# Altium PCB PCB1.PcbDoc (part 13 of 14) (continued)
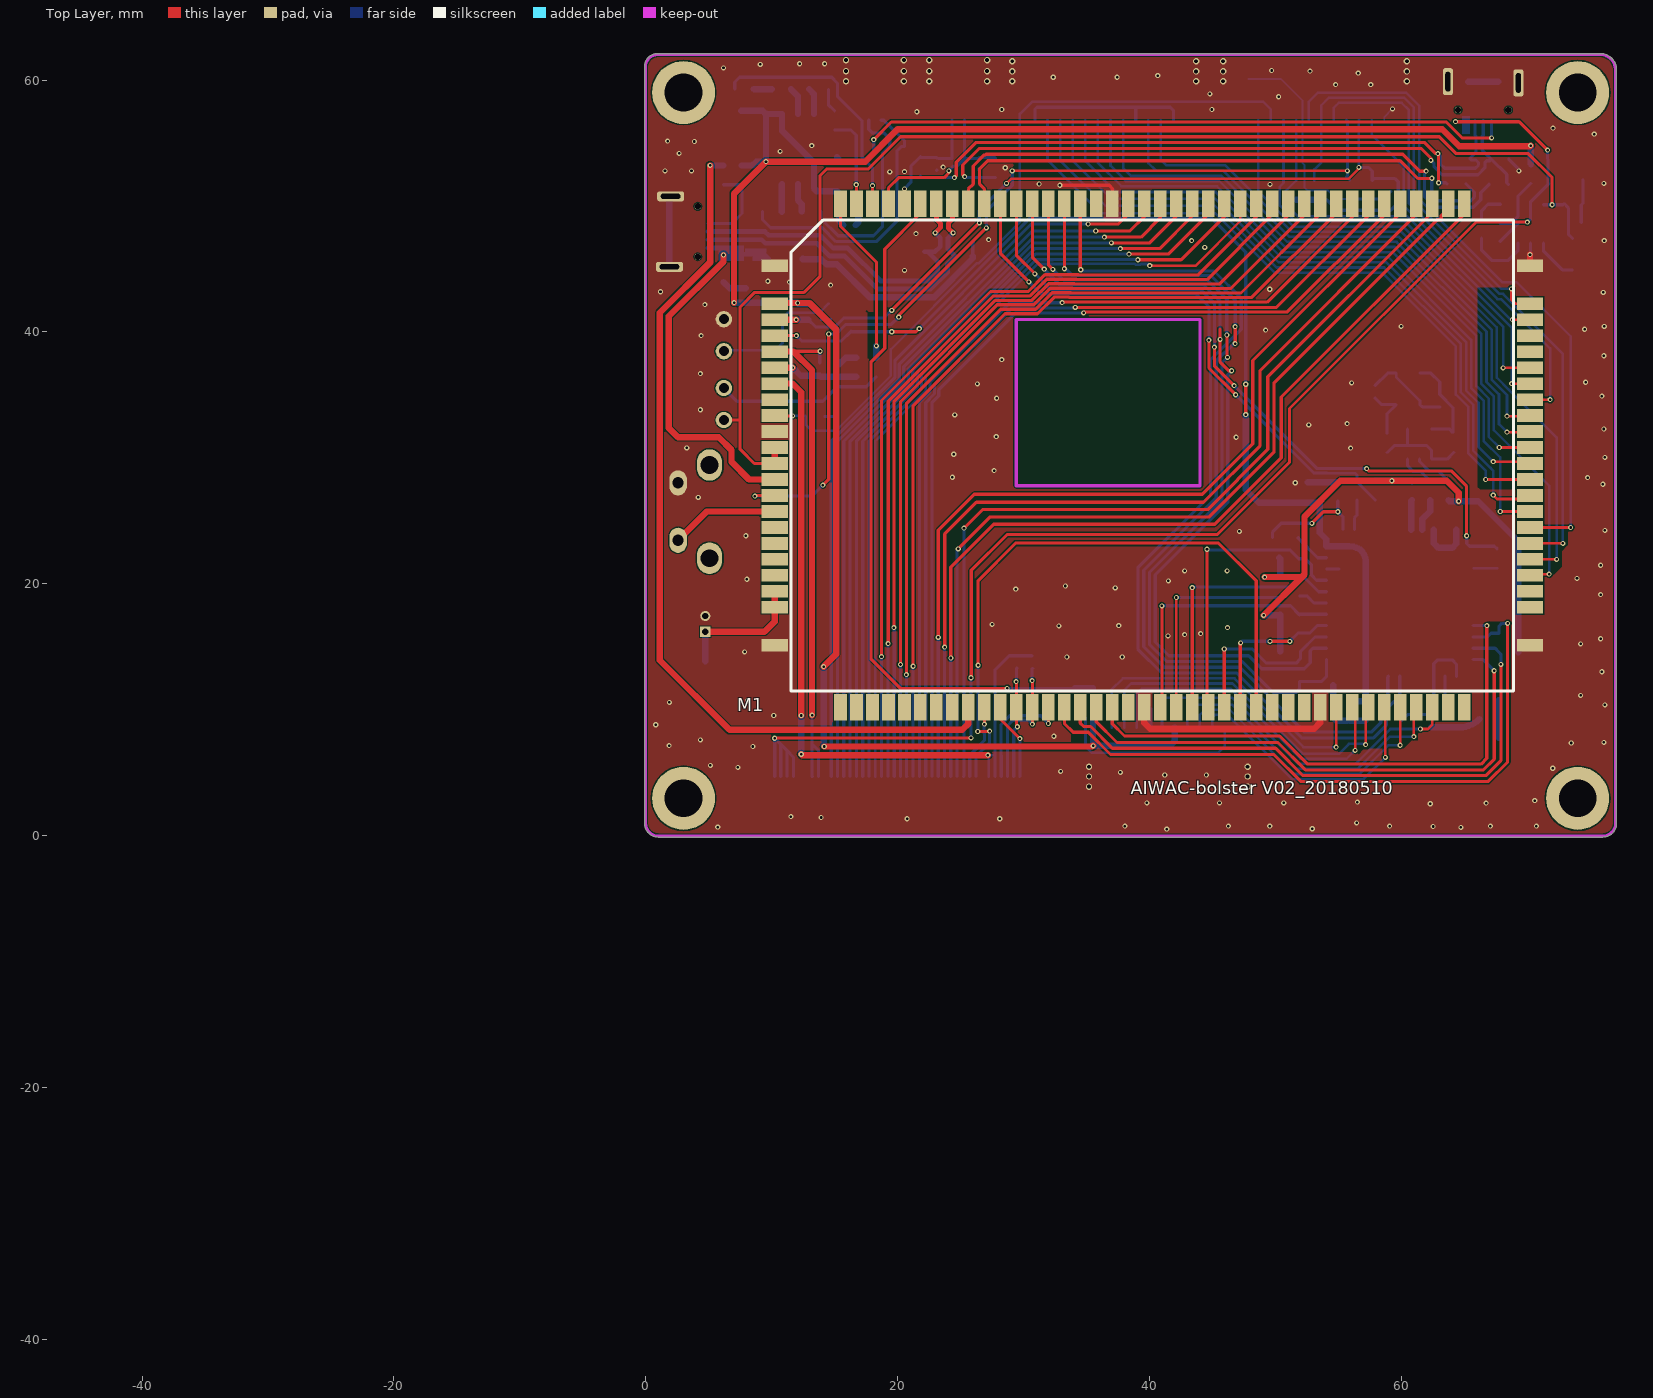
[diagram p0: Top Layer view]
## Nets (pads, with @x,y where several pads share a name; then routed paths per layer and width w, separated by ;. In a path a pad name is that pad's centre, name@x,y a point inside that pad or via, vN(x,y) a via of type N, cw(c..) or ccw(c..) an arc to the next point about the centre after c; other vN are vias at no path point) (continued)
PE7_CSI-D3: J1.4 M1.70 | length 53.8
  Top Layer w0.203: v1(67.31,29.693) 70.079,29.693 M1.70@70.231,29.54
  Bottom Layer w0.203: J1.4@33.909,56.805 33.909,53.594 36.932,50.571 45.222,50.571 50.276,45.517 58.82,45.517 65.151,39.186 65.151,35.356 66.142,34.365 66.142,30.861 v1(67.31,29.693)
PE8_CSI-D4: J1.6 M1.71 | length 51.2
  Top Layer w0.203: v1(67.793,30.81) M1.71@70.231,30.81
  Bottom Layer w0.203: J1.6@35.909,56.805 35.909,53.423 37.77,51.562 45.381,51.562 50.613,46.33 59.308,46.33 65.964,39.674 65.964,35.692 66.954,34.702 66.954,31.648 v1(67.793,30.81)
PE9_CSI-D5: J1.8 M1.72 | length 48.5
  Top Layer w0.203: v1(68.402,32.029) 70.18,32.029 M1.72@70.231,32.08
  Bottom Layer w0.203: J1.8@37.909,56.805 37.909,53.023 38.557,52.375 45.717,52.375 50.95,47.142 59.644,47.142 66.777,40.01 66.777,36.029 67.767,35.038 67.767,32.664 v1(68.402,32.029)
PE10_CSI-D6: J1.10 M1.73 | length 45.4
  Top Layer w0.203: v1(68.402,33.299) 70.129,33.299 70.206,33.376 M1.73@70.231,33.35
  Bottom Layer w0.203: J1.10@39.909,56.805 39.909,53.411 40.513,52.807 45.86,52.807 51.118,47.549 59.813,47.549 67.183,40.179 67.183,36.197 68.402,34.978 v1(68.402,33.299)
PE11_CSI-D7: J2.11 M1.74 | length 29.8
  Top Layer w0.203: M1.74@70.231,34.62 v1(71.831,34.62)
  Bottom Layer w0.203: J2.11@57.654,56.805 57.654,55.681 60.198,53.137 60.198,50.041 67.636,42.603 67.916,42.603 69.041,41.478 69.044,41.478 69.342,41.181 69.342,41.177 71.831,38.688 v1(71.831,34.62)
PE12_CSI-SCK: J2.4 M1.75 | length 35.2
  Top Layer w0.203: v1(68.783,35.89) M1.75@70.231,35.89 M1.75@70.206,35.916
  Bottom Layer w0.203: J2.4@50.654,56.805 50.654,53.264 50.654,51.823 50.368,51.537 50.368,50.023 51.623,48.768 60.318,48.768 68.783,40.303 v1(68.783,35.89)
PE13_CSI-SDA: J2.2 M1.76 | length 35
  Top Layer w0.203: v1(68.097,37.135) 70.206,37.135 M1.76@70.231,37.16
  Bottom Layer w0.203: J2.2@48.654,56.805 48.654,51.162 51.455,48.362 60.149,48.362 68.097,40.414 v1(68.097,37.135)
PE16_CSI-RST-F: J2.5 M1.79 R50.2 | length 30.2
  Top Layer w0.203: v1(68.834,40.97) M1.79@70.231,40.97
  Bottom Layer w0.203: J2.5@51.654,56.805 51.654,52.029 R50.2@51.664,52.019 50.851,51.206 50.851,50.115 51.791,49.174 60.49,49.174 68.694,40.97 v1(68.834,40.97)
PE17_CSI-STBY-F: J2.7 M1.80 R39.1 | length 34.7
  Top Layer w0.203: v1(68.758,43.416) 68.758,42.545 69.063,42.24 M1.80@70.231,42.24 M1.80@70.206,42.215
  Bottom Layer w0.203: R39.1@53.111,52.019 53.111,52.908 53.654,53.451 53.654,57.998 54.254,58.598 60.214,58.598 61.011,57.801 61.011,50.378 67.973,43.416 v1(68.758,43.416)
PH4-SCK1: M1.49
PH5-SDA1: M1.50
POWERKEY: M1.14 S1.2 | length 8.6
  Top Layer w0.508: S1.2@2.565,23.441 4.854,25.73 M1.14@10.231,25.73
PS: C102.1 C103.2 D6.A L1.1 M1.10 M1.11 U10.6 | length 100.1
  Top Layer w0.254: D6.A@6.2,32.993 7.367,32.993 7.493,32.868 ; M1.11@10.231,29.54 8.628,29.54 7.493,30.676 7.493,32.868 ; v1(71.984,50.089) 71.984,52.26 70.091,54.153 64.376,54.153 63.029,55.499 20.232,55.499 17.666,52.934 14.363,52.934 13.843,52.413 13.843,44.399 12.573,43.129 8.649,43.129 7.493,41.973 7.493,32.868
  Top Layer w0.508: M1.11@10.231,29.54 M1.10@10.231,30.81
  Bottom Layer w0.254: U10.6@71.298,50.089 v1(71.984,50.089) 72.834,50.089 C102.1@72.935,50.19 73.279,49.847 C103.2@73.279,48.692 73.279,47.752 L1.1@73.609,47.422
SDC0-CLK: J9.6 M1.58 | length 28.6
  Top Layer w0.203: v1(61.519,8.456) 62.126,8.456 62.456,8.786 M1.58@62.456,10.175
  Bottom Layer w0.203: J9.6@41,8.56 41,10.749 41.199,10.947 46.568,10.947 51.825,5.69 56.37,5.69 59.136,8.456 v1(61.519,8.456)
SDC0-CMD: J9.4 M1.57 | length 25.2
  Top Layer w0.203: v1(61.011,7.849) 61.011,10 M1.57@61.186,10.175
  Bottom Layer w0.203: J9.4@43,8.56 43,10.031 43.358,10.389 46.552,10.389 51.657,5.283 56.538,5.283 59.104,7.849 v1(61.011,7.849)
SDC0-D0: J9.8 M1.53 | length 26.3
  Top Layer w0.203: M1.53@56.106,10.175 56.337,9.944 v1(56.337,6.756)
  Bottom Layer w0.203: J9.8@39,8.56 39,11.238 39.421,11.659 46.431,11.659 51.994,6.096 55.677,6.096 v1(56.337,6.756)
SDC0-D1: J9.9 M1.54 | length 28
  Top Layer w0.203: v1(57.175,7.214) 57.175,9.975 M1.54@57.376,10.175
  Bottom Layer w0.203: J9.9@38,8.56 38,11.508 38.557,12.065 46.6,12.065 52.162,6.502 55.093,6.502 55.855,7.264 57.125,7.264 v1(57.175,7.214)
SDC0-D2: J9.2 M1.55 | length 21.5
  Top Layer w0.203: M1.55@58.646,10.175 58.75,10.071 v1(58.75,6.198)
  Bottom Layer w0.203: J9.2@45,8.56 45,9.364 45.212,9.576 46.215,9.576 51.32,4.47 57.023,4.47 v1(58.75,6.198)
SDC0-D3: J9.3 M1.56 | length 23.2
  Top Layer w0.203: M1.56@59.916,10.175 59.919,10.173 v1(59.919,7.163)
  Bottom Layer w0.203: J9.3@44,8.56 44,9.583 44.399,9.982 46.383,9.982 51.489,4.877 56.706,4.877 58.992,7.163 v1(59.919,7.163)
SDIO-CLK: M1.42 R84.2 | length 17.3
  Top Layer w0.203: M1.42@42.136,9.914 M1.42@42.136,10.175 42.136,18.895 v1(42.139,18.898)
  Bottom Layer w0.203: v1(42.139,18.898) 50.267,18.898 R84.2@50.394,19.025
SDIO-CMD: M1.41 R89.2 U7.16 | length 21.5
  Top Layer w0.254: M1.41@40.866,10.175 40.996,10.305 v1(40.996,18.237)
  Bottom Layer w0.254: v1(40.996,18.237) 51.206,18.237 R89.2@51.918,17.526 51.954,17.562 U7.16@54.06,17.562
SDIO-D0: M1.43 R90.2 U7.18 | length 21
  Top Layer w0.254: M1.43@43.406,10.175 v1(43.406,19.685)
  Bottom Layer w0.254: v1(43.406,19.685) 43.457,19.736 51.13,19.736 R90.2@51.918,20.523 52.273,20.523 53.434,19.362 U7.18@54.06,19.362
SDIO-D1: M1.44 R91.2 U7.19 | length 23.6
  Top Layer w0.254: v1(44.577,22.733) 44.577,10.274 M1.44@44.676,10.175
  Bottom Layer w0.254: v1(44.577,22.733) 44.628,22.682 51.156,22.682 51.867,21.971 R91.2@51.918,21.971 52.375,21.971 52.883,21.463 52.883,20.65 53.271,20.262 U7.19@54.06,20.262
SDIO-D2: M1.45 R87.2 U7.14 | length 14.4
  Top Layer w0.254: v1(45.949,14.808) 45.946,14.806 M1.45@45.946,10.175 M1.45@45.974,10.203
  Bottom Layer w0.254: v1(45.949,14.808) 48.184,14.808 49.301,13.691 51.664,13.691 51.994,14.021 51.994,14.605 53.151,15.762 U7.14@54.06,15.762
SDIO-D3: M1.46 R88.2 U7.15 | length 12.5
  Top Layer w0.254: M1.46@47.216,10.175 47.216,15.161 47.244,15.189 v1(47.244,15.291) ; v1(49.581,15.418) v1(51.156,15.418)
  Bottom Layer w0.254: v1(47.244,15.291) 47.371,15.418 v1(49.581,15.418) ; v1(51.156,15.418) 51.816,16.078 R88.2@51.918,16.078 52.73,16.078 53.315,16.662 U7.15@54.06,16.662
SPI0-CLK: M1.61
SPI0-CS: M1.62
SPI0-MISO: M1.59
SPI0-MOSI: M1.60
T-CARD-DET: J9.10 M1.52 | length 26.6
  Top Layer w0.203: v1(54.836,7.013) M1.52@54.836,10.175
  Bottom Layer w0.203: J9.10@37,8.56 37,11.575 37.897,12.471 46.768,12.471 52.226,7.013 v1(54.836,7.013)
TEMP: C50.1 M1.5 R76.2 RT1.1 | length 6.8
  Top Layer w0.508: M1.5@10.231,37.16 v1(11.659,37.16)
  Bottom Layer w0.508: v1(11.659,37.16) 12.319,36.5 RT1.1@13.818,36.5 13.894,36.424 C50.1@15.367,36.424 R76.2@16.713,36.424
TP-INT: J3.37 M1.34 | length 9.7
  Top Layer w0.254: M1.34@31.976,10.175 31.976,8.893 v1(31.979,8.89)
  Bottom Layer w0.254: J3.37@28.229,4.674 28.229,6.34 28.219,6.35 28.219,8.814 28.904,9.498 31.371,9.498 v1(31.979,8.89)
TP-RST: J3.40 M1.31 | length 6.1
  Top Layer w0.254: M1.31@28.166,10.175 28.166,9.248 v1(29.718,7.696)
  Bottom Layer w0.254: v1(29.718,7.696) 29.718,4.685 J3.40@29.729,4.674
TP-SCK: J3.39 M1.32 R8.2 | length 8.8
  Top Layer w0.254: v1(29.413,12.217) 29.436,12.195 M1.32@29.436,10.175 29.436,8.715 v1(29.515,8.636)
  Bottom Layer w0.254: J3.39@29.229,4.674 29.229,8.35 v1(29.515,8.636) ; v1(29.413,12.217) 29.439,12.243 R8.2@29.439,13.259 R8.2@29.464,13.284
TP-SDA: J3.38 M1.33 R7.2 | length 10.8
  Top Layer w0.254: v1(30.683,12.294) 30.706,12.271 M1.33@30.706,10.175 v1(30.706,8.839)
  Bottom Layer w0.254: J3.38@28.729,4.674 28.729,8.714 29.159,9.144 30.401,9.144 v1(30.706,8.839) ; v1(30.683,12.294) R7.2@30.683,13.208 ; R7.2@30.683,13.233 R7.2@30.683,13.208 ; R7.2@30.734,13.259 R7.2@30.683,13.208
USB-DM0: D22.2 J10.2 M1.113 pad.4@24.409,47.854 | length 27.5
  Top Layer w0.381: M1.113@24.356,50.175 24.356,48.935 24.039,48.617 24.039,48.224 pad.4@24.409,47.854
  Bottom Layer w0.381: J10.2@4.953,47.314 9.217,47.314 9.491,47.041 13.594,47.041 14.623,46.012 15.786,46.012 18.39,43.409 22.632,43.409 23.971,44.748 23.971,45.409 D22.2@24.575,46.012 24.016,46.571 24.016,47.46 pad.4@24.409,47.854
USB-DM1: D11.2 J11.2 R110.2 R113.2 | length 54.9
  Top Layer w0.254: v1(24.511,52.248) 24.663,52.4 24.663,53.462 26.244,55.042 61.84,55.042 62.729,54.153 v1(62.916,54.153) 62.967,54.102 v1(62.967,51.841)
  Bottom Layer w0.254: R110.2@21.819,52.375 21.819,52.248 v1(24.511,52.248) ; v1(62.916,54.153) 63.119,53.95 63.119,53.315 63.449,52.984 65.888,52.984 66.142,53.238 66.142,53.442 65.94,53.643 65.583,53.643 D11.2@65.456,53.77 65.934,54.248 65.934,55.546 65.863,55.617 J11.2@65.863,56.794 ; v1(62.967,51.841) 63.551,51.841 R113.2@63.627,51.765
USB-DP0: D21.2 J10.3 M1.114 pad.4@22.987,47.854 | length 27.3
  Top Layer w0.381: pad.4@22.987,47.854 22.997,47.854 23.404,48.26 23.404,48.617 23.086,48.935 M1.114@23.086,50.175
  Bottom Layer w0.381: J10.3@4.953,47.964 9.465,47.964 9.754,47.676 13.857,47.676 14.886,46.647 16.049,46.647 18.653,44.044 22.369,44.044 23.19,44.865 23.19,45.568 D21.2@22.403,46.355 ; D21.2@22.136,46.355 D21.2@22.403,46.355 ; pad.4@22.987,47.854 23.381,47.46 23.381,46.774 22.962,46.355 D21.2@22.403,46.355
USB-DP1: D12.2 J11.3 R111.2 R112.2 | length 53.9
  Top Layer w0.254: v1(25.324,52.324) 25.171,52.476 25.171,53.251 26.479,54.559 61.604,54.559 62.357,53.806 v1(62.357,53.619)
  Bottom Layer w0.254: v1(25.324,52.324) 25.4,52.248 R111.2@27.788,52.248 ; v1(62.357,53.619) 62.611,53.365 62.611,53.104 63.239,52.476 66.098,52.476 66.65,53.028 66.65,53.442 66.802,53.594 67.031,53.594 D12.2@67.158,53.721 ; J11.3@66.513,56.794 66.513,55.617 66.442,55.546 66.442,54.436 D12.2@67.158,53.721 ; R112.2@68.504,51.714 68.377,51.841 68.377,52.502 D12.2@67.158,53.721
USB-DRVVBUS: M1.21
USB-ID: M1.29 R70.1 | length 70.3
  Top Layer w0.508: v1(5.105,53.213) 5.105,45.507 1.118,41.519 1.118,13.919 6.655,8.382 25.146,8.382 25.626,8.862 M1.29@25.626,10.175
  Bottom Layer w0.508: v1(5.105,53.213) R70.1@6.172,53.213
USBVBUS: C42.1 C43.1 C44.2 J10.1 M1.12 | length 32.2
  Top Layer w0.508: v1(6.172,46.101) 6.172,45.568 1.829,41.224 1.829,32.36 2.565,31.623 5.791,31.623 6.807,30.607 6.807,29.667 8.204,28.27 M1.12@10.231,28.27
  Bottom Layer w0.381: J10.1@4.953,46.664 5.838,46.664 6.172,46.33 ; C44.2@6.172,45.464 v1(6.172,46.101) 6.172,46.33 ; C43.1@9.754,45.795 9.395,46.154 C42.1@7.95,46.154 6.348,46.154 6.172,46.33
VBAT: C41.1 J8.1 M1.19 M1.20 | length 10.6
  Top Layer w0.508: J8.1@4.724,16.18 9.423,16.18 10.231,16.987 M1.20@10.231,18.11 M1.19@10.231,19.38
  Bottom Layer w0.508: C41.1@4.724,13.831 J8.1@4.724,16.18 J8.1@4.75,16.154
VCC-3V0: C32.2 C33.2 C37.2 C110.1 J9.5 M1.1 R68.1 R71.2 R92.2 R101.1 U5.1 U5.2 U5.5 | length 174.7
  Top Layer w0.508: v1(7.01,42.316) 7.01,50.978 v1(9.55,53.518) 17.424,53.518 19.99,56.083 63.271,56.083 64.618,54.737 70.231,54.737 v1(70.282,54.788) ; M1.1@10.231,42.24 10.485,41.986 10.79,42.291 v1(12.065,42.291) 13.005,42.291 15.113,40.183 15.113,14.402 v1(14.122,13.411) ; v1(14.173,7.061) 35.433,7.061 35.509,7.137 v1(35.535,7.112)
  Bottom Layer w0.508: v1(7.01,42.316) 12.04,42.316 v1(12.065,42.291) ; C37.2@7.569,57.56 9.293,57.56 U5.1@9.55,57.302 ; R71.2@7.62,53.213 8.458,53.213 8.763,53.518 v1(9.55,53.518) U5.1@9.55,57.302 ; v1@12.116,42.24 R92.2@13.005,42.24 ; v1(14.122,13.411) 14.122,7.112 v1(14.173,7.061) ; C33.2@15.672,48.489 15.367,48.793 C110.1@15.367,49.784 15.367,50.974 C32.2@15.189,51.152 13.593,51.152 13.36,51.384 13.36,53.442 10.82,55.982 U5.2@10.82,57.302 U5.1@9.55,57.302 ; R68.1@35.525,10.15 35.525,7.122 v1(35.535,7.112) 41.631,7.112 42,7.481 J9.5@42,8.56 ; v1(70.282,54.788) 70.282,53.34 R101.1@70.307,53.315
VCC-CTP: J3.35 J3.36 M1.6 R7.1 R8.1 | length 60.2
  Top Layer w0.5: M1.6@10.231,35.89 11.659,35.89 12.344,35.204 v1(12.344,9.525) ; v1(12.344,6.452) 12.421,6.375 v1(27.178,6.375)
  Bottom Layer w0.203: J3.35@27.226,4.674 27.226,6.327 v1(27.178,6.375) 27.684,6.375 27.735,6.426
  Bottom Layer w0.254: J3.36@27.729,4.674 27.735,4.68 27.735,6.426 27.735,8.459 27.729,8.465 27.729,13.124 28.88,14.275 R8.1@29.439,14.275 30.658,14.275 R7.1@30.683,14.249
  Bottom Layer w0.5: v1(12.344,6.452) v1(12.344,9.525)
VCC-LCD: J3.7 J3.8 M1.4 RT1.2 | length 41.7
  Top Layer w0.254: 11.735,38.43 11.76,38.456 v1(13.843,38.456)
  Top Layer w0.5: M1.4@10.231,38.43 11.735,38.43 13.208,36.957 v1(13.208,9.55)
  Bottom Layer w0.254: v1(13.208,9.55) 13.208,7.239 ; J3.7@13.226,4.674 13.208,4.692 13.208,7.239 ; J3.8@13.726,4.674 13.726,6.726 13.214,7.239 13.208,7.239 ; RT1.2@13.818,37.541 13.818,38.43 v1(13.843,38.456)
VCC-WIFI: C51.1 C55.2 C57.1 M1.3 R64.1 R72.1 R73.1 R75.2 R80.1 R87.1 R88.1 R89.1 R90.1 R91.1 U7.9 U7.22 | length 140.3
  Top Layer w0.254: M1.3@10.231,39.7 v1(11.963,39.7) ; v1(19.533,40.005) 21.463,40.005 v1(21.717,40.259) ; v1(47.65,33.426) v1(47.65,35.839)
  Top Layer w0.508: v1(49.073,17.475) 52.121,20.523 ; v1(49.149,20.523) 52.121,20.523 ; v1(64.567,26.543) 64.567,27.229 63.627,28.169 v1(59.258,28.169) 55.169,28.169 52.324,25.324 52.324,20.726 52.121,20.523
  Bottom Layer w0.254: v1(11.963,39.7) 12.395,39.268 15.519,39.268 16.307,40.056 16.358,40.005 v1(19.533,40.005) ; v1(21.717,40.259) 26.559,45.101 26.572,45.101 30.047,48.575 30.047,48.589 30.48,49.022 44.958,49.022 47.65,46.33 v1(47.65,35.839)
  Bottom Layer w0.508: v1(47.65,33.426) 47.65,27.457 48.692,26.416 53.416,26.416 C55.2@53.543,26.543 53.543,24.054 54.06,23.537 U7.22@54.06,22.962 55.856,22.962 cw(c55.856,21.312) 56.782,22.678 cw(c55.811,21.706) 57.185,21.706 U7.9@57.185,12.637 57.185,10.677 C51.1@57.15,10.643 C57.1@55.956,10.643 ; v1(49.073,17.475) 50.343,17.475 R89.1@50.394,17.526 R88.1@50.394,16.078 R87.1@50.394,14.605 ; v1(49.149,20.523) R90.1@50.394,20.523 R91.1@50.394,21.971 R91.1@50.317,22.047 ; R80.1@57.937,28.169 v1(59.258,28.169) 60.833,28.169 R75.2@60.858,28.143 ; R64.1@63.754,26.619 63.83,26.543 v1(64.567,26.543) 66.122,26.543 69.291,23.374 R72.1@69.291,16.053 R73.1@69.291,14.554
WL-HOST-WAKE: M1.108 U7.13 | length 67.2
  Top Layer w0.254: M1.108@30.706,50.175 30.706,45.926 v1(31.648,44.983) ; 45.618,40.234 v1(45.618,39.395) 45.618,37.592 46.304,36.906 v1(46.533,36.906)
  Bottom Layer w0.254: v1(31.648,44.983) 32.893,43.739 44.298,43.739 45.618,42.418 v1(45.618,39.395) ; v1(46.533,36.906) 46.228,36.601 46.228,26.457 45.704,25.933 45.702,25.933 40.462,20.693 40.462,15.367 41.554,14.275 47.879,14.275 48.92,13.233 52.299,13.233 52.781,13.716 52.781,14.656 52.988,14.862 U7.13@54.06,14.862
WL-REG-ON: M1.107 R82.1 U7.12 | length 68
  Top Layer w0.254: M1.107@31.976,50.175 31.976,45.316 v1(32.334,44.958) ; v1(46.152,39.75) 46.177,39.724 46.153,39.701 46.153,38.022 v1(46.203,37.973)
  Bottom Layer w0.254: v1(32.334,44.958) 33.172,44.12 44.602,44.12 46.177,42.545 46.152,42.52 v1(46.152,39.75) ; v1(46.203,37.973) 45.771,37.541 45.771,26.647 45.515,26.391 45.513,26.391 40.005,20.883 40.005,15.178 41.365,13.818 47.383,13.818 49.098,12.102 49.098,12.098 49.817,11.379 51.664,11.379 51.918,11.633 R82.1@51.918,12.217 53.665,12.217 54.06,12.612 U7.12@54.06,13.962
pads on no net: J10. J10.0 J11. J11.0 M1.7 M1.15 M1.16 M1.17 M1.18 M1.22 M1.23 M1.24 M1.25 M1.26 M1.27 M1.28 M1.39 M1.77 M1.78 M1.104 S1.0 U7.4 U7.5 U7.8 U7.10 U7.11 U7.25 U7.26 U7.27 U7.28 U7.32 U7.35 U7.37 U7.38 U7.39 U7.40
copper on no net:
  other v1: 46.203,16.51 46.177,21.006 44.399,46.711 43.358,47.244

## Polygon pours and split planes (outlines as drawn)
GND on Top Layer "GND_L01_P000" (solid, remove dead copper, pour order 0): 0.896,62.005 0.025,62.005 0.025,0 76.937,0 76.962,0.025 76.962,62.001 0.029,62.001 0.025,62.005
GND on Bottom Layer "GND_L02_P002" (solid, remove dead copper, pour order 2): 0.896,62.005 0.892,62.001 0.051,62.001 0,61.951 0,0 77.038,0 77.038,61.9 76.937,62.001 0.051,62.001

## Keep-outs
Keep-Out Layer:
  lines w0.2: 0,0.949 ccw(c0.996,0.97) 1.017,-0.026 ; 0,0.97 0,61.062 ; 0,61.005 cw(c0.948,61.057) 0.896,62.005 75.747,62.005 cw(c75.806,60.811) 77,60.869 77,0.948 cw(c76.026,0.948) 76.026,-0.026 0.996,-0.026

## Other copper
Top Layer:
  pour cut-out: 61.189,52.019 61.189,51.232 62.763,51.232 62.967,51.435 62.967,51.841 62.941,51.841 62.789,51.994
  pour cut-out: 17.45,41.631 17.475,41.605 18.161,41.605 18.161,38.157 18.307,38.011 18.167,37.871 17.577,37.871 17.577,41.782 17.576,41.782
  pour cut-out: 35.077,48.997 36.347,48.997 36.678,48.666 35.103,48.666 35.103,48.811 35.213,48.922
  pour cut-out: 14.834,9.042 14.757,8.966 14.757,8.534 24.638,8.534 25.07,8.966
  pour cut-out: 55.042,8.992 60.579,8.992 61.304,8.267 61.304,7.556 60.853,7.556 60.206,6.909 57.48,6.909 57.468,6.921 57.379,6.831 56.997,6.831 56.631,6.464 56.464,6.63 54.995,6.63 54.995,8.77 55.147,8.922
  pour cut-out: 33.731,8.103 33.757,8.077 33.757,7.417 35.027,7.417 35.357,7.747
  pour cut-out: 66.097,43.512 69.072,43.512 69.063,43.502 69.063,27.483 66.269,27.483 66.097,27.655
  pour cut-out: 29.331,53.388 29.487,53.544 55.295,53.544 55.829,53.01 55.702,52.883 29.498,52.883 29.204,53.177
Bottom Layer:
  region net +VBS1_5V: 65.456,55.728 65.456,57.125 64.821,57.125 64.821,55.728
  rectangle net USBVBUS: 8.458,45.618 9.703,46.101
  rectangle net USBVBUS: 7.899,46.304 9.601,46.609
  rectangle net USBVBUS: 5.791,45.618 7.798,46.863
  pour cut-out: 61.949,53.797 62.064,53.912 62.099,53.877 62.099,53.15 61.837,53.15 61.747,53.061 61.544,53.264 61.544,53.797
  pour cut-out: 55.905,57.556 56.312,57.556 56.439,57.429 56.312,57.302 56.312,56.261 56.388,56.185 56.331,56.128 56.331,53.13 56.125,52.924 55.956,53.093 55.956,57.455 55.905,57.506
  pour cut-out: 8.547,18.72 8.49,18.663 8.49,18.46
  pour cut-out: 7.264,18.847 7.313,18.896 8.585,18.896 8.585,18.758 8.395,18.567 8.395,18.555 8.585,18.364 8.585,18.199 7.252,18.199 7.239,18.212 7.239,19.05
  pour cut-out: 50.825,57.633 50.85,57.608 52.291,57.608 53.224,58.541 54.489,58.541 54.813,58.217 54.61,58.014 54.61,55.982 52.271,55.982 52.251,56.002 52.231,55.982 51.664,55.982 51.664,55.347 51.257,54.94 50.952,54.94 50.952,55.372 50.724,55.601 50.8,55.677 50.8,57.633
  pour cut-out: 34.392,10.693 35.306,10.693 35.306,6.798 35.154,6.646 35.145,6.655 34.366,6.655 34.366,9.728 34.163,9.931 34.483,10.252 34.483,10.887
  pour cut-out: 37,11.575 37.483,11.575 38.252,12.344 38.76,11.836 39.624,11.836 39.624,8.784 38.597,7.757 36.597,7.757 36.597,8.936 37,9.339
  pour cut-out: 43,10.031 43.178,10.031 43.739,10.592 43.866,10.465 45.72,10.465 45.72,7.787 45.654,7.722 43.231,7.722 43.231,9.8
  pour cut-out: 56.363,23.52 56.413,23.47 57.531,23.47 57.531,22.582 57.458,22.509 57.336,22.631 57.074,22.631 57.074,22.758 56.464,23.368
  pour cut-out: 71.756,49.752 71.756,49.402 71.78,49.378 72.72,49.378 72.822,49.276 72.822,49.149 72.942,49.149 73.076,49.282 73.076,49.327 72.936,49.327 72.668,49.595 72.178,49.595 72.178,49.67 72.096,49.752
  pour cut-out: 66.751,48.362 66.904,48.514 68.256,48.514 68.561,48.819 68.936,48.819 68.936,48.717 69.164,48.489 68.529,47.854 67.996,47.854 67.996,47.701 67.234,46.939 66.98,47.193 66.98,48.108 66.853,48.235
  pour cut-out: 69.723,52.845 69.723,52.172 69.698,52.146 69.723,52.121 70.942,52.121 71.679,52.857 71.679,53.678 71.112,53.678 70.891,53.899 70.333,53.34 69.935,53.34
  pour cut-out: 64.364,53.289 65.485,53.289 65.608,53.166 65.608,52.654 64.694,52.654 64.516,52.832 64.516,53.184
  pour cut-out: 50.724,55.118 51.435,55.118 51.318,55.001 51.318,52.603 50.952,52.603 51.057,52.708 51.057,55.151
  pour cut-out: 40.081,55.143 40.691,55.143 40.996,54.839 40.996,52.908 40.615,52.908 40.513,52.807 40.234,53.086 40.234,55.072 40.312,55.151
  pour cut-out: 32.381,55.22 37.948,55.22 37.948,52.984 37.795,52.832 37.084,53.543 32.106,53.543 32.106,54.944
  pour cut-out: 18.466,54.991 18.644,54.813 18.507,54.676 18.507,53.388 18.201,53.388 18.085,53.504 18.085,54.991
  pour cut-out: 28.124,52.58 28.126,52.578 29.108,52.578 29.108,47.396 28.423,46.711 28.356,46.777 27.965,46.777 27.965,52.019 28.194,52.248
  pour cut-out: 16.916,15.138 16.942,15.164 16.942,14.321 16.845,14.224 16.434,14.224 16.332,14.326 16.485,14.478 16.485,15.138
  pour cut-out: 33.934,51.257 33.934,48.565 36.132,48.565 36.489,48.922 34.154,51.257
Multi-Layer:
  pour cut-out: 66.929,16.967 68.326,16.967 68.453,16.84 68.351,16.739 68.351,13.792 67.793,13.233 67.031,13.233 67.031,16.998 67.03,16.999
  pour cut-out: 71.247,24.257 73.254,24.257 73.23,24.233 73.23,23.032 73.197,23.032 72.754,22.589 72.754,21.336 72.169,20.752 71.341,20.752 71.341,24.351
  pour cut-out: 67.558,26.561 69.324,26.561 69.342,26.543 69.113,26.314 69.113,25.679 67.695,25.679 67.486,25.889 67.558,25.961

## Silkscreen, mask and mechanical layers (free items; w line width, h text height)
Top Overlay:
  text "AIWAC-bolster V02_20180510" at 38.506,3.277 h1.02
Bottom Overlay:
  lines w0.102: 11.278,17.386 11.976,17.386 ; 11.722,17.132 11.976,17.386 ; 11.722,17.64 11.976,17.386
  lines w0.2: 16.662,18.263 20.777,18.263 ; 19.469,12.535 19.787,12.217 19.787,18.313 ; 19.774,12.255 20.091,12.573 ; 19.787,12.37 19.863,12.37 ; 62.459,40.005 62.459,39.472 ; 63.017,39.472 62.459,39.472 ; 63.475,39.243 63.83,39.243 63.856,39.268 ; 63.5,39.243 54,39.243 54,35.712 54,29.032 54.077,28.956 63.906,28.956 65.176,28.956 65.176,34.214 ; 65.126,40.869 68.631,40.869 68.656,40.843 68.656,34.315 63.906,34.315 63.906,39.522 63.906,40.767 64.008,40.869 ; 65.303,40.869 64.008,40.869 ; 66.821,49.809 67.151,50.14 ; 66.827,49.816 66.618,49.606 63.322,49.606 63.322,45.695 63.322,44.983 68.097,44.983 68.523,44.983 ; 62.459,39.472 63.856,40.869 64.008,40.869 ; 17.247,10.262 20.168,10.262 20.193,10.236 20.193,11.938 20.142,11.989 17.247,11.989 17.247,10.262
Mechanical 2:
  drawing of 19725 lines, arcs and shapes, not listed
Mechanical 3:
  drawing of 7932 lines, arcs and shapes, not listed
Mechanical 4:
  lines w0: -45.29,-40.511 -45.29,-40.509 ; -45.29,-40.511 -45.288,-40.511 ; -45.29,-40.511 -45.29,-40.509 ; -45.29,-40.511 -45.288,-40.511 ; -45.29,-40.511 -45.288,-40.511 ; -45.29,-40.511 -45.29,-40.509 ; -45.29,-40.509 -45.288,-40.509 ; -45.29,-40.509 -45.288,-40.509 ; -45.29,-40.509 -45.288,-40.509 ; -45.288,-40.511 -45.288,-40.509 ; -45.288,-40.511 -45.288,-40.509 ; -45.288,-40.511 -45.288,-40.509 ; -45.287,-40.48 -45.285,-40.48 ; -45.287,-40.48 -45.287,-40.477 ; -45.287,-40.48 -45.285,-40.48 ; -45.287,-40.48 -45.287,-40.477 ; -45.287,-40.48 -45.287,-40.477 ; -45.287,-40.48 -45.285,-40.48 ; -45.287,-40.477 -45.285,-40.477 ; -45.287,-40.477 -45.285,-40.477 ; -45.287,-40.477 -45.285,-40.477 ; -45.287,-40.469 -45.287,-40.465 ; -45.287,-40.469 -45.285,-40.469 ; -45.287,-40.469 -45.287,-40.465 ; -45.287,-40.469 -45.285,-40.469 ; -45.287,-40.469 -45.285,-40.469 ; -45.287,-40.469 -45.287,-40.465 ; -45.287,-40.465 -45.285,-40.465 ; -45.287,-40.465 -45.285,-40.465 ; -45.287,-40.465 -45.285,-40.465 ; -45.285,-40.469 -45.285,-40.465 ; -45.285,-40.469 -45.285,-40.465 ; -45.285,-40.469 -45.285,-40.465 ; -45.285,-40.48 -45.285,-40.477 ; -45.285,-40.48 -45.285,-40.477 ; -45.285,-40.48 -45.285,-40.477 ; -45.284,-40.478 -45.284,-40.477 ; -45.284,-40.478 -45.281,-40.478 ; -45.284,-40.478 -45.284,-40.477 ; -45.284,-40.478 -45.281,-40.478 ; -45.284,-40.478 -45.281,-40.478 ; -45.284,-40.478 -45.284,-40.477 ; -45.284,-40.477 -45.281,-40.477 ; -45.284,-40.477 -45.281,-40.477 ; -45.284,-40.477 -45.281,-40.477 ; -45.281,-40.491 -45.279,-40.491 ; -45.281,-40.491 -45.281,-40.489 ; -45.281,-40.491 -45.279,-40.491 ; -45.281,-40.491 -45.281,-40.489 ; -45.281,-40.491 -45.281,-40.489 ; -45.281,-40.491 -45.279,-40.491 ; -45.281,-40.489 -45.279,-40.489 ; -45.281,-40.489 -45.279,-40.489 ; -45.281,-40.489 -45.279,-40.489 ; -45.281,-40.478 -45.281,-40.477 ; -45.281,-40.478 -45.281,-40.477 ; -45.281,-40.478 -45.281,-40.477 ; -45.279,-40.491 -45.279,-40.489 ; -45.279,-40.491 -45.279,-40.489 ; -45.279,-40.491 -45.279,-40.489 ; -45.279,-40.472 -45.279,-40.469 ; -45.279,-40.472 -45.278,-40.472 ; -45.279,-40.472 -45.279,-40.469 ; -45.279,-40.472 -45.278,-40.472 ; -45.279,-40.472 -45.278,-40.472 ; -45.279,-40.472 -45.279,-40.469 ; -45.279,-40.469 -45.278,-40.469 ; -45.279,-40.469 -45.278,-40.469 ; -45.279,-40.469 -45.278,-40.469 ; -45.278,-40.472 -45.278,-40.469 ; -45.278,-40.472 -45.278,-40.469 ; -45.278,-40.472 -45.278,-40.469 ; -45.238,-40.473 -45.238,-40.471 ; -45.238,-40.473 -45.237,-40.473 ; -45.238,-40.473 -45.238,-40.471 ; -45.238,-40.473 -45.237,-40.473 ; -45.238,-40.473 -45.237,-40.473 ; -45.238,-40.473 -45.238,-40.471 ; -45.238,-40.471 -45.237,-40.471 ; -45.238,-40.471 -45.237,-40.471 ; -45.238,-40.471 -45.237,-40.471 ; -45.237,-40.473 -45.237,-40.471 ; -45.237,-40.473 -45.237,-40.471 ; -45.237,-40.473 -45.237,-40.471 ; -45.237,-40.473 -45.237,-40.471 ; -45.237,-40.473 -45.235,-40.473 ; -45.237,-40.473 -45.237,-40.471 ; -45.237,-40.473 -45.235,-40.473 ; -45.237,-40.473 -45.235,-40.473 ; -45.237,-40.473 -45.237,-40.471 ; -45.237,-40.471 -45.235,-40.471 ; -45.237,-40.471 -45.235,-40.471 ; -45.237,-40.471 -45.235,-40.471 ; -45.235,-40.473 -45.235,-40.471 ; -45.235,-40.473 -45.235,-40.471 ; -45.235,-40.473 -45.235,-40.471 ; -45.222,-40.472 -45.222,-40.47 ; -45.222,-40.472 -45.219,-40.472 ; -45.222,-40.472 -45.222,-40.47 ; -45.222,-40.472 -45.219,-40.472 ; -45.222,-40.472 -45.219,-40.472 ; -45.222,-40.472 -45.222,-40.47 ; -45.222,-40.47 -45.219,-40.47 ; -45.222,-40.47 -45.219,-40.47 ; -45.222,-40.47 -45.219,-40.47 ; -45.221,-40.474 -45.219,-40.474 ; -45.221,-40.474 -45.221,-40.472 ; -45.221,-40.474 -45.219,-40.474 ; -45.221,-40.474 -45.221,-40.472 ; -45.221,-40.474 -45.221,-40.472 ; -45.221,-40.474 -45.219,-40.474 ; -45.221,-40.472 -45.219,-40.472 ; -45.221,-40.472 -45.219,-40.472 ; -45.221,-40.472 -45.219,-40.472 ; -45.219,-40.474 -45.219,-40.472 ; -45.219,-40.474 -45.219,-40.472 ; -45.219,-40.474 -45.219,-40.472 ; -45.219,-40.472 -45.219,-40.47 ; -45.219,-40.472 -45.219,-40.47 ; -45.219,-40.472 -45.219,-40.47
Mechanical 5:
  drawing of 420 lines, arcs and shapes, not listed
Mechanical 6:
  lines w0: -45.264,-40.495 -45.264,-40.482 ; -45.264,-40.495 -45.25,-40.495 ; -45.264,-40.495 -45.264,-40.482 ; -45.264,-40.495 -45.25,-40.495 ; -45.264,-40.495 -45.25,-40.495 ; -45.264,-40.495 -45.264,-40.482 ; -45.264,-40.482 -45.25,-40.482 ; -45.264,-40.482 -45.25,-40.482 ; -45.264,-40.482 -45.25,-40.482 ; -45.25,-40.495 -45.25,-40.482 ; -45.25,-40.495 -45.25,-40.482 ; -45.25,-40.495 -45.25,-40.482